# KiCad board 3x3.kicad_pcb
title: Macro Keyboard 3x3; date: 2025-06-28; rev: 0.1
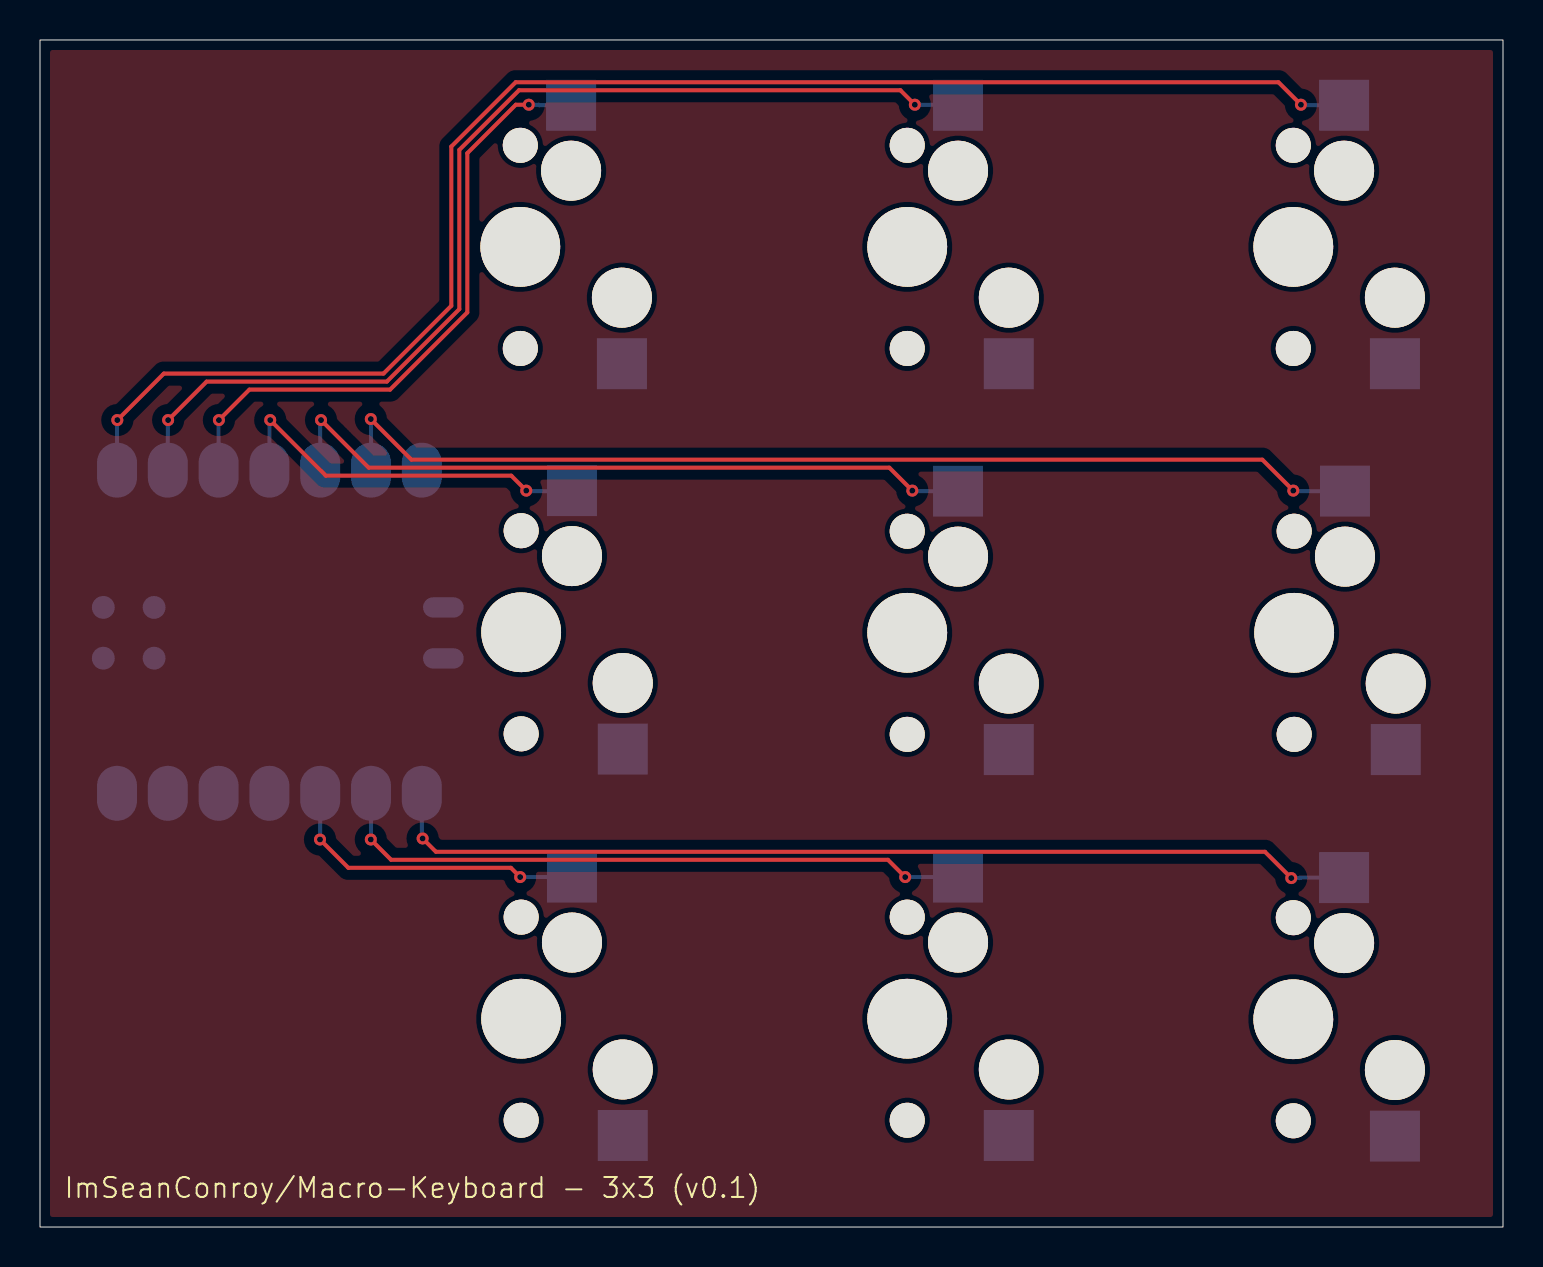
[diagram p0: board, top side]
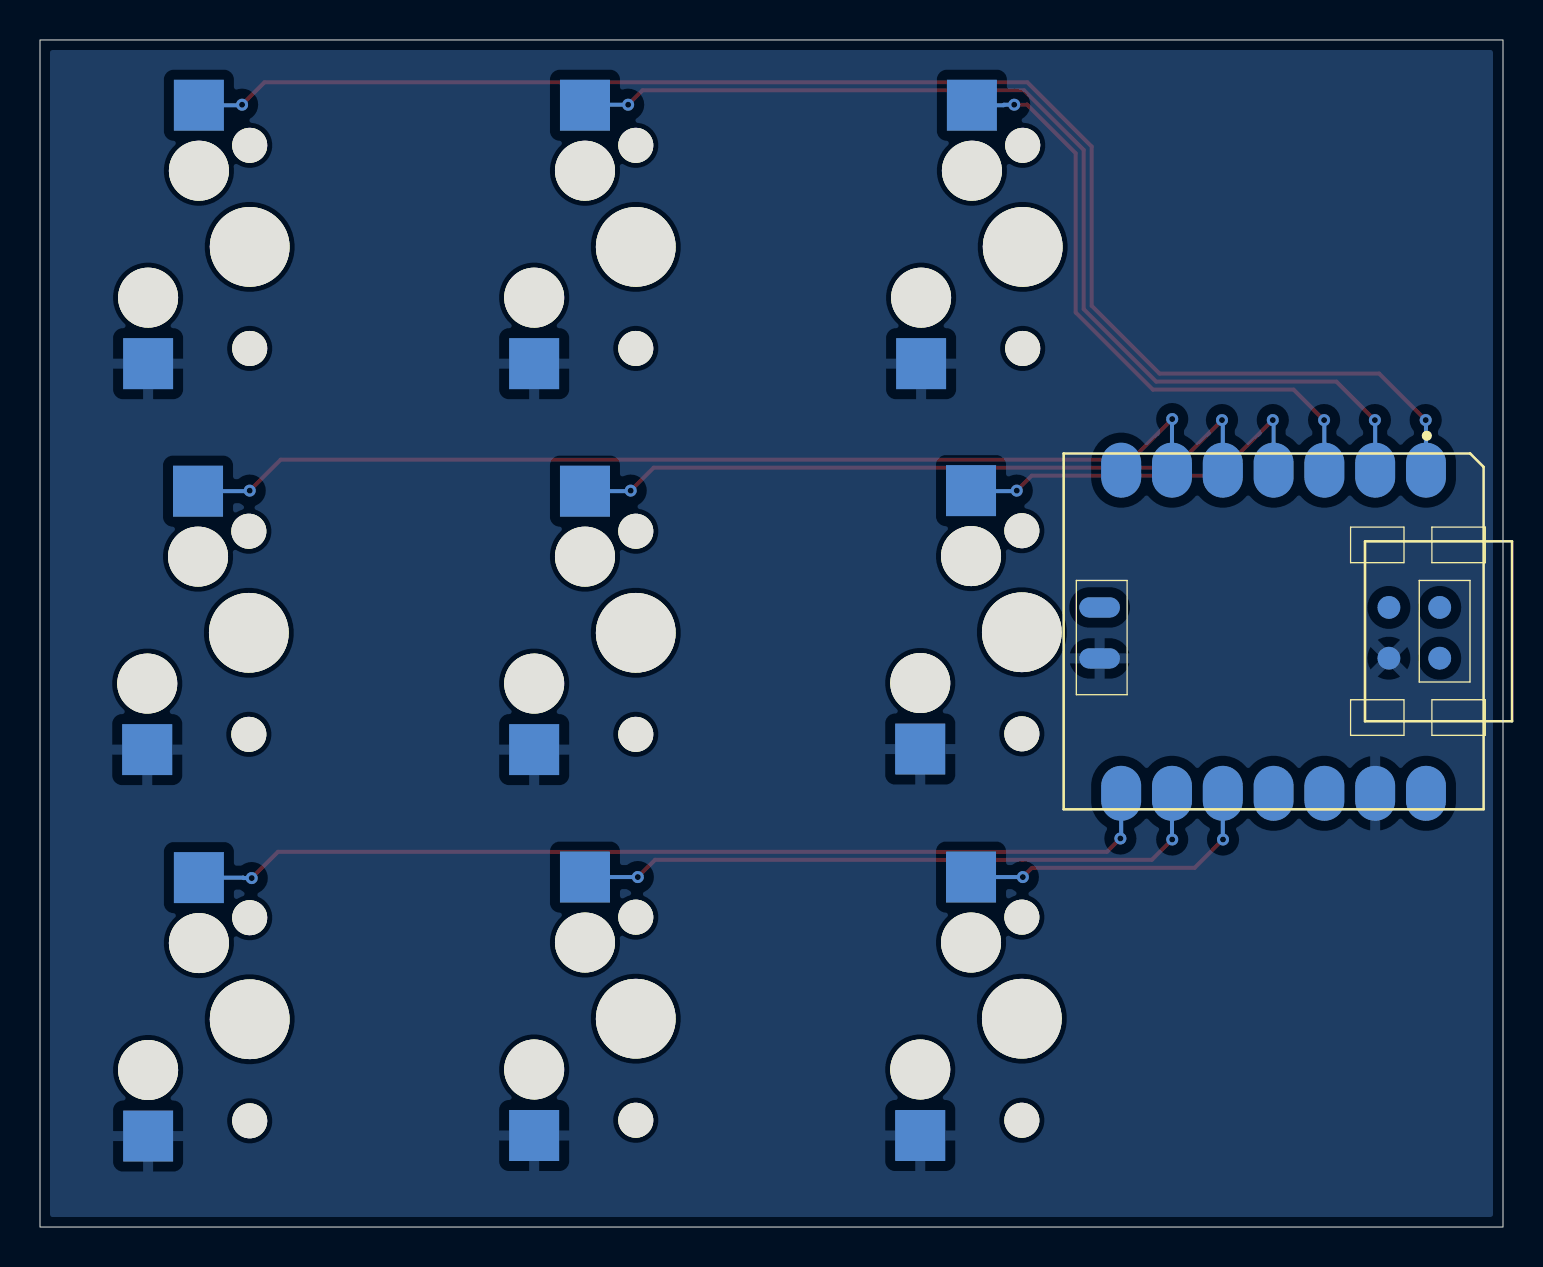
[diagram p1: board, bottom side, seen from below]

Outline 73.15 x 59.38 mm; copper layers: Top, Bottom. Coordinates in mm from the lower left corner of the outline.
Outline path: rectangle 0,59.38 73.15,0
Stack: Top 0.035mm / dielectric 1.51mm FR4 er 4.5 / Bottom 0.035mm

## Placement (name value [footprint] x y rotation side)
SW1  SW_Push  [MXOnly-1U-Hotswap]  24.02 49.03 270 top  (not fitted)
SW2  SW_Push  [MXOnly-1U-Hotswap]  43.36 49.03 270 top  (not fitted)
SW3  SW_Push  [MXOnly-1U-Hotswap]  62.67 49.03 270 top  (not fitted)
SW4  SW_Push  [MXOnly-1U-Hotswap]  24.06 29.75 270 top  (not fitted)
SW5  SW_Push  [MXOnly-1U-Hotswap]  43.36 29.72 270 top  (not fitted)
SW6  SW_Push  [MXOnly-1U-Hotswap]  62.71 29.72 270 top  (not fitted)
SW7  SW_Push  [MXOnly-1U-Hotswap]  24.06 10.42 270 top  (not fitted)
SW8  SW_Push  [MXOnly-1U-Hotswap]  43.36 10.42 270 top  (not fitted)
SW9  SW_Push  [MXOnly-1U-Hotswap]  62.67 10.39 270 top  (not fitted)
U2  SeeeduinoXIAO  [Seeeduino XIAO-MOUDLE14P-2.54-21X17.8MM]  21.97 38.69 270 bottom

## Library data of the parts
SW1-SW9 = -: Description: Push button switch, generic, two pins

## Footprints (pads in the part's own frame, mm; a bottom-side part is the same pattern mirrored in y, then rotated)
MXOnly-1U-Hotswap
  round 1.75 hole 1.75 unplated: (-5.08,0) (5.08,0)
  round 3 hole 3 unplated: (-3.81,2.54) (2.54,5.08)
  round 3.988 hole 3.988 unplated: (0,0)
  rect 2.55x2.5 smd far side: 1(-7.085,2.54) 2(5.842,5.08)
Seeeduino XIAO-MOUDLE14P-2.54-21X17.8MM
  oval 2.748x1.999 smd: 1(0.833,18.118) 2(0.833,15.578) 3(0.833,13.038) 4(0.833,10.498) 5(0.833,7.958) 6(0.833,5.418) 7(0.833,2.878) 8(16.998,2.878) 9(16.998,5.418) 10(16.998,7.958) 11(16.998,10.498) 12(16.998,13.038) 13(16.998,15.578) 14(16.998,18.118)
  oval 1.016x2.032 smd: 15(7.7,1.8) 16(10.25,1.8)
  round 1.143 smd: 17(7.699,18.804) 18(10.239,18.804) 19(7.699,16.264) 20(10.239,16.264)

## Nets
GND: SW1.2 SW2.2 SW3.2 SW4.2 SW5.2 SW6.2 SW7.2 SW8.2 SW9.2 U2.13 U2.16 U2.20
sw0: U2.11
sw1: SW1.1 U2.3
sw2: SW2.1 U2.2
sw3: SW3.1 U2.1
sw4: SW4.1 U2.4
sw5: SW5.1 U2.5
sw6: SW6.1 U2.6
sw7: SW7.1 U2.10
sw8: SW8.1 U2.9
sw9: SW9.1 U2.8

Pads without a net: U2 7 12 14 15 17 18 19

## Via types
v1: diameter 0.6, hole 0.3, Top to Bottom, 18 vias

## Routing (per net, layer and track width the routed paths; a pad name or vN(x,y) marks a point on that pad's centre or on a via; arc(x,y) is an arc through that point)
sw1: length 31.3
  Top w0.2: v1(24.44,56.14) 23.79,56.14 21.37,53.71 21.37,45.75 17.51,41.89 10.47,41.89 v1(8.95,40.36)
  Bottom w0.2: v1(24.44,56.14) 24.95,56.14 24.98,56.11 SW1.1 ; v1(8.95,40.36) 8.93,40.35 U2.3
sw2: length 53.8
  Top w0.2: v1(6.41,40.36) 8.33,42.29 17.34,42.29 20.97,45.92 20.97,53.88 23.95,56.86 43.02,56.86 v1(43.74,56.14)
  Bottom w0.2: v1(43.74,56.14) 45.88,56.14 SW2.1 ; U2.2 6.39,40.35 v1(6.41,40.36)
sw3: length 76
  Top w0.2: v1(3.87,40.36) 6.19,42.69 17.17,42.69 20.57,46.08 20.57,54.05 23.78,57.26 61.92,57.26 v1(63.05,56.14)
  Bottom w0.2: SW3.1 63.08,56.11 v1(63.05,56.14) ; v1(3.87,40.36) 3.85,40.35 U2.1
sw4: length 19
  Top w0.2: v1(24.31,36.84) 23.57,37.58 14.29,37.58 v1(11.51,40.36)
  Bottom w0.2: U2.4 11.47,40.33 v1(11.51,40.36) ; 26.56,36.81 24.34,36.81 v1(24.31,36.84)
sw5: length 35.8
  Top w0.2: v1(14.05,40.36) 16.43,37.98 42.47,37.98 v1(43.62,36.84)
  Bottom w0.2: U2.5 14.01,40.33 v1(14.05,40.36) ; SW5.1 43.64,36.81 v1(43.62,36.84)
sw6: length 52.7
  Top w0.2: v1(62.67,36.84) 61.12,38.38 18.57,38.38 v1(16.54,40.42)
  Bottom w0.2: 65.21,36.81 62.69,36.81 v1(62.67,36.84) ; U2.6 16.55,40.4 v1(16.54,40.42)
sw7: length 15.7
  Top w0.2: v1(24.01,17.5) 23.54,17.97 15.42,17.97 v1(14,19.38)
  Bottom w0.2: v1(14,19.38) 14.01,19.4 U2.10 ; v1(24.01,17.5) SW7.1
sw8: length 32.5
  Top w0.2: v1(16.54,19.38) 17.56,18.37 42.4,18.37 v1(43.26,17.5)
  Bottom w0.2: v1(43.26,17.5) SW8.1 ; v1(16.54,19.38) 16.55,19.4 U2.9
sw9: length 49.2
  Top w0.2: v1(19.13,19.44) 19.8,18.77 61.25,18.77 v1(62.57,17.45)
  Bottom w0.2: U2.8 19.09,19.48 v1(19.13,19.44) ; v1(62.57,17.45) 62.97,17.45 63,17.48 SW9.1

## Copper pours and planes (outline as drawn; the poured copper is in the pictures)
GND on Top, Bottom: 81.08,65.54 80.57,-6.85 -8.33,-6.85 -7.82,65.54

## Text on the board
F.Silkscreen: ImSeanConroy/Macro-Keyboard - 3x3 (v0.1)
